# Altium PCB Tigershark 3D R2.1.PcbDoc (part 3 of 4)
Units mil, origin at the board's own origin, x right, y up, seen from the top; angles counter-clockwise.
Board outline 4100 x 4050 mil, 4 copper layers (Top Layer, Groun Plane, Power Plane, Bottom Layer), stack 61.73 mil thick; 364 components, 235 nets, 1170 pads, 856 vias.
Unrouted connection lines stored in the file: 6.
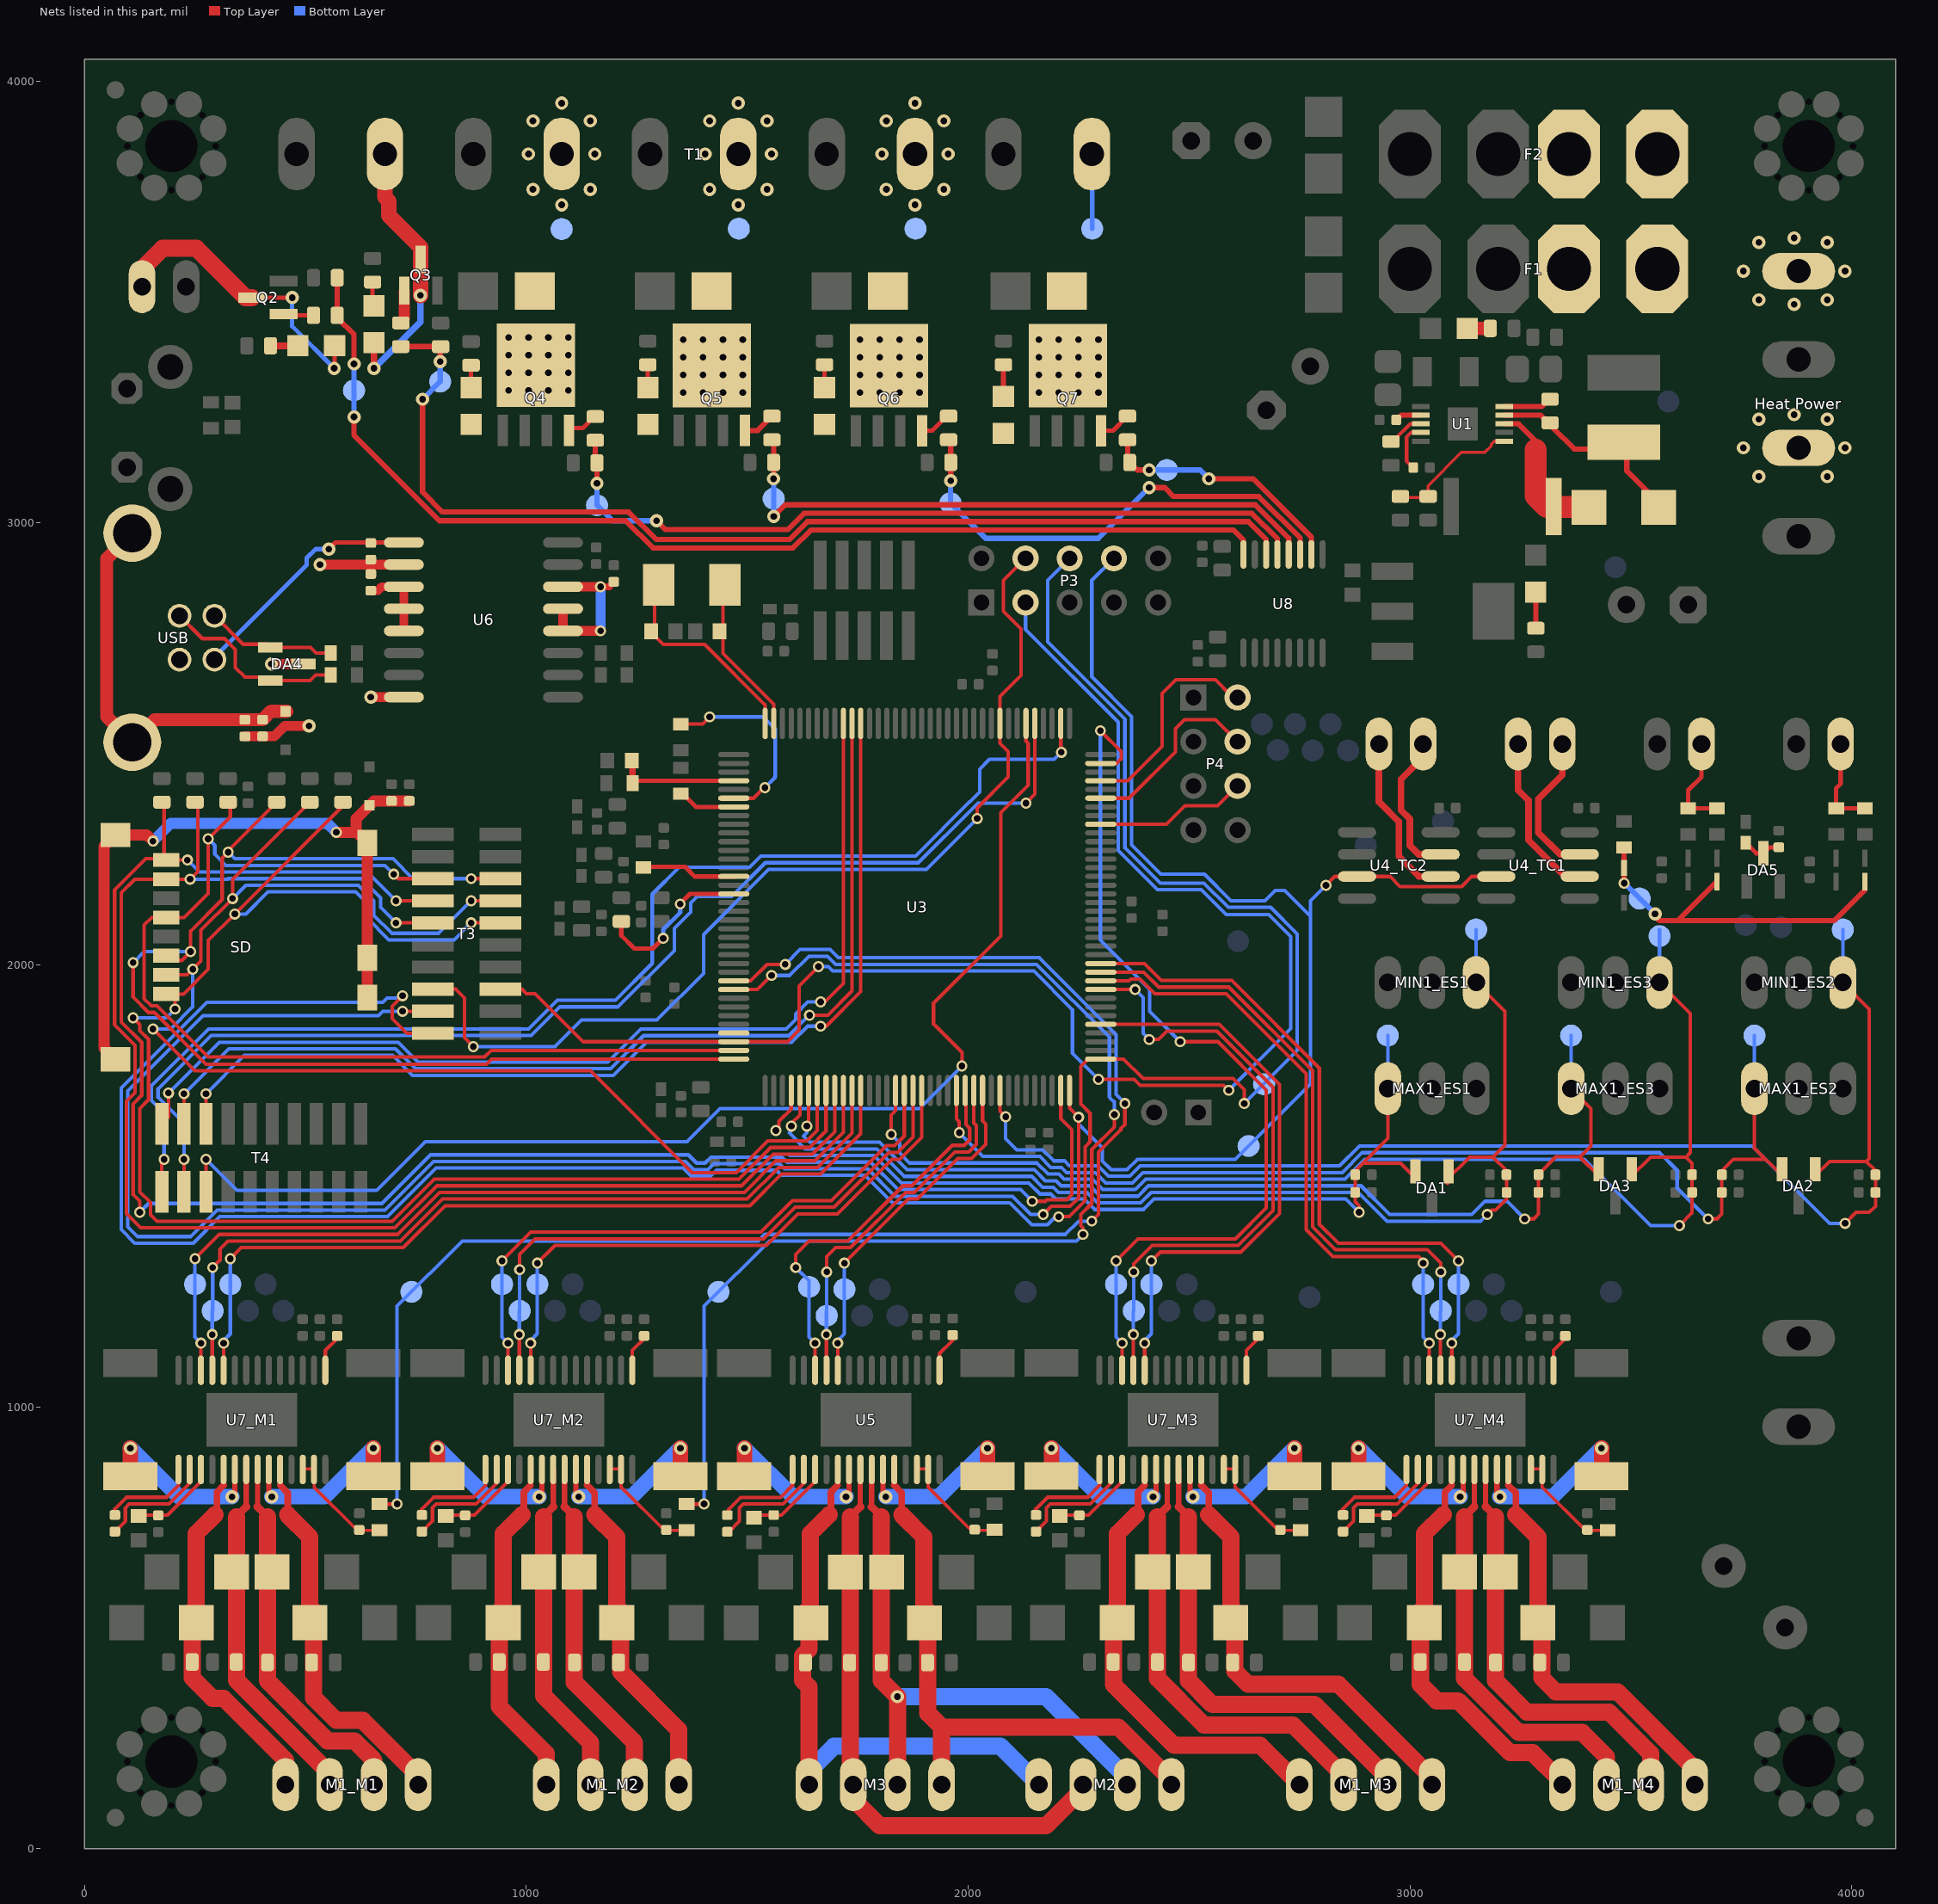
[diagram p5: the nets of this part, all layers, seen from the top]

## Via types
v1: diameter 30, hole 15, Top Layer to Bottom Layer, tented both sides, 517 vias
v2: diameter 25, hole 15, Top Layer to Bottom Layer, tented both sides, 203 vias
v3: diameter 19.68, hole 7.87, Top Layer to Bottom Layer, 75 vias
v4: diameter 25, hole 15, Top Layer to Bottom Layer, 50 vias
v5: diameter 30, hole 15, Top Layer to Bottom Layer, 9 vias
v6: diameter 45, hole 20, Top Layer to Bottom Layer, tented both sides, 2 vias

## Nets (pads, with @x,y where several pads share a name; then routed paths per layer and width w, separated by ;. In a path a pad name is that pad's centre, name@x,y a point inside that pad or via, vN(x,y) a via of type N, cw(c..) or ccw(c..) an arc to the next point about the centre after c; other vN are vias at no path point) (continued)
GPIO_P_3: P4.2 U3.141 | length 481
  Top Layer w8: U3.141@2300.35,2416.54 2361.54,2416.54 2439.47,2494.47 2439.47,2614.47 2470.53,2645.53 2559.47,2645.53 2592.5,2612.5 P4.2@2592.5,2602.5
GPIO_P_4: P4.4 U3.139 | length 434.7
  Top Layer w8: U3.139@2300.35,2377.17 2364.59,2377.17 2469.47,2482.05 2469.47,2534.47 2490,2555 2560,2555 P4.4@2610,2505
GPIO_P_5: P4.6 U3.136 | length 345.6
  Top Layer w8: U3.136@2300.35,2318.11 2448.64,2318.11 2490.53,2360 2565,2360 P4.6@2610,2405
I2C_SCL: P3.3 T3.5 U3.70 | length 3476.8
  Top Layer w8: 990,1945 1000,1935 1020,1935 1129.02,1825.98 U3.70@1469.65,1825.98 1590.98,1825.98 1617.5,1852.5 1617.5,1952.5 v2(1661.1,1996.1) ; v2(2295,1741.1) 2376.1,1741.1 2389.6,1727.6 2578.5,1727.6 v2(2590,1716.1)
  Bottom Layer w8: v2(1661.1,1996.1) 1683.68,1996.1 1693.68,1986.1 2148.68,1986.1 2236.1,1898.68 2236.1,1800 v2(2295,1741.1) ; P3.3@2130,2820 2130,2759.45 2340,2549.45 2340,2258.79 2428.79,2170 2527.57,2170 2584.07,2113.5 2680.29,2113.5 2730,2063.79 2730,1856.1 v2(2590,1716.1)
I2C_SDA: P3.4 T3.6 U3.9 | length 2287.3
  Top Layer w8: T3.6@788.23,1945 840,1945 860,1925 860,1835 v2(880,1815) ; v2(2020.36,2331.1) 2020.36,2354.75 2091,2425.4 2091,2482.57 2072.01,2501.56 U3.9@2072.01,2546.46 2072.01,2607.01 2120,2655 2120,2760 2080,2800 2080,2870 P3.4@2130,2920
  Bottom Layer w8: v2(880,1815) 1064.9,1815 1124.9,1875 1295.67,1875 1401.1,1980.44 1401.1,2068.53 1548.68,2216.1 1905.36,2216.1 v2(2020.36,2331.1)
INPUT_GND: C24.1 C58.1 C59.1 DA4.3 R24.1 U6.2 U6.8 USB.4 | length 524.6
  Top Layer w22: R24.1@363.2,2517.09 C24.1@403,2517.09 429.3,2517.09 453,2540.79 v1(508,2540.79) ; v1(423,2680.79) DA4.3@495.4,2680.79 ; v1(533,2905.79) 648,2905.79 ; v1(648,2605.79) U6.8@722.88,2605.79 ; C59.1@648,2884.49 648,2905.79 ; C58.1@648,2917.09 647.35,2906.52 648,2905.79 ; U6.2@722.88,2905.79 648,2905.79
MAX_ES1: C2_ES1.1 DA1.2 MAX1_ES1.1 R3_ES1.1 TP10_ES1.1 U3.76 | length 2037.4
  Top Layer w8: v2(1565,1625) 1571.5,1631.5 1571.5,1645.95 1599.57,1674.01 U3.76@1599.57,1715.75 ; C2_ES1.1@2875,1532.56 2893.44,1551 ; C2_ES1.1@2876.3,1525 2876.1,1524.8 R3_ES1.1@2876.1,1485 2876.1,1463.9 2885,1455 v2(2885,1440) ; MAX1_ES1.1@2950,1720 2950,1607.56 2893.44,1551 ; DA1.2@3005,1509.8 3012.6,1517.4 2979,1551 2893.44,1551
  Bottom Layer w8: 1596.5,1568.5 1787.07,1568.5 1849.11,1506.46 2137.48,1506.46 2162.43,1481.5 2186.73,1481.5 2198.23,1470 2262.99,1470 2286.49,1446.5 2397.01,1446.5 2420.51,1470 2855,1470 v2(2885,1440) ; MAX1_ES1.1@2950,1720 TP10_ES1.1@2950,1840
MAX_ES2: C2_ES2.1 DA2.2 MAX1_ES2.1 R3_ES2.1 TP10_ES2.1 U3.95 | length 2529.6
  Top Layer w8: U3.95@1973.58,1715.75 1973.58,1651.42 1980,1645 v2(1980,1620) ; v2(3675,1425) 3695,1425 3706.1,1436.1 3706.1,1470 ; R3_ES2.1@3706.1,1485 3706.1,1533.66 3732.44,1560 3805,1560 ; MAX1_ES2.1@3780,1720 3780,1585 3842.6,1522.4 DA2.2@3840,1519.8
  Bottom Layer w8: v2(1980,1620) 2033.54,1566.46 2162.33,1566.46 2187.29,1541.5 2211.59,1541.5 2223.09,1530 2287.84,1530 2311.34,1506.5 2372.16,1506.5 2395.66,1530 2846.91,1530 2891.91,1575 3565,1575 3605,1535 3605,1495 v2(3675,1425) ; MAX1_ES2.1@3780,1720 TP10_ES2.1@3780,1840
MAX_ES3: C2_ES3.1 DA3.2 MAX1_ES3.1 R3_ES3.1 TP10_ES3.1 U3.78 | length 2452.3
  Top Layer w8: v2(1635,1635) 1638.94,1638.94 U3.78@1638.94,1715.75 ; v2(3260,1425) 3280,1425 3291.1,1436.1 3291.1,1470 ; C2_ES3.1@3289.95,1525 C2_ES3.1@3289.95,1526.41 ; R3_ES3.1@3291.1,1485 3291.1,1526.1 3330.43,1565.43 3385.43,1565.43 3410,1590 3410,1675 MAX1_ES3.1@3365,1720 ; 3385,1565 3427.6,1522.4 DA3.2@3425,1519.8
  Bottom Layer w8: v2(1635,1635) 1635,1620 1627.6,1612.6 1641.7,1598.5 1799.5,1598.5 1861.54,1536.46 2149.9,1536.46 2174.86,1511.5 2199.16,1511.5 2210.66,1500 2275.41,1500 2298.91,1476.5 2384.59,1476.5 2408.09,1500 2889.45,1500 2954.45,1435 3140,1435 3170,1465 3220,1465 v2(3260,1425) ; MAX1_ES3.1@3365,1720 TP10_ES3.1@3365,1840
MCCDZ: R28.1 SD.3 T3.15 U3.72 | length 2811.6
  Top Layer w8: v2(110,2005) 110,1926.95 144.7,1892.25 157.75,1892.25 275,1775 910,1775 921.61,1786.61 U3.72@1469.65,1786.61 ; SD.3@202.52,2020.63 SD.3@185,2020.63 175,2010.63 175.63,2010 220,2010 v2(240,2030) 240,2076.21 311.5,2147.71 311.5,2241.5 v2(325,2255) 325,2258.23 R28.1@435,2368.23 ; v2(875,2195) T3.15@941.77,2195
  Bottom Layer w8: v2(110,2005) 135,2030 v2(240,2030) ; v2(325,2255) 340,2240 698.23,2240 743.23,2195 v2(875,2195)
MCCK: R27.1 SD.5 T3.16 U3.71 | length 2521.3
  Top Layer w8: R27.1@330,2368.23 330,2335 v2(280,2285) 280,2161.77 225.48,2107.24 SD.5@185,2107.24 152.24,2107.24 135,2090 135,1923.17 150.92,1907.25 163.96,1907.25 279.71,1791.5 905.29,1791.5 920.09,1806.3 U3.71@1469.65,1806.3 ; v2(700,2205) 710,2195 T3.16@788.23,2195
  Bottom Layer w8: v2(280,2285) 295,2270 295,2250 320,2225 680,2225 v2(700,2205)
MCDZ0: R26.1 SD.7 T3.12 U3.107 | length 4182.1
  Top Layer w8: v2(125,1440) 125,1465 110,1480 110,1685 129.46,1704.46 129.46,1824.33 83,1870.79 83,2163 113.86,2193.86 SD.7@185,2193.86 v2(238.86,2193.86) 256.33,2211.33 R26.1@256.33,2366.89 ; R26.1@250,2368.23 R26.1@251.33,2366.89 ; v2(705,2095) T3.12@788.23,2095 ; v2(2145,1465) 2175,1465 2178.5,1468.5 2223.5,1468.5 2235,1480 2235,1627.2 2209.8,1652.4 U3.107@2209.8,1715.75
  Bottom Layer w8: v2(125,1440) 145,1460 354.02,1460 673.49,1460 783.49,1570 1366.77,1570 1385.27,1551.5 1404.73,1551.5 1418.23,1565 1578.79,1565 1590.29,1553.5 1778.93,1553.5 1840.97,1491.46 2118.54,1491.46 v2(2145,1465) ; v2(238.86,2193.86) 323.86,2193.86 325,2195 626.5,2195 670,2151.5 670,2130 v2(705,2095)
MCDZ1: R25.1 SD.8 T3.14 U3.81 | length 3469
  Top Layer w8: R25.1@180,2368.23 180,2242.17 177.83,2240 138.79,2240 68,2169.21 68,1864.58 114.46,1818.12 114.46,1710.68 95,1691.21 95,1436.77 126.77,1405 702.72,1405 797.72,1500 1487.41,1500 1558.91,1571.5 1647.16,1571.5 1697.99,1622.33 U3.81@1697.99,1715.75 ; SD.8@185,2237.17 v2(232.83,2237.17) ; v2(705,2145) T3.14@788.23,2145
  Bottom Layer w8: v2(232.83,2237.17) 260,2210 640,2210 v2(705,2145)
MCDZ2: R34.1 SD.1 T3.11 U3.80 | length 3656.8
  Top Layer w8: v2(110,1880) 125,1865 125,1851.25 145,1831.25 145,1695 125,1675 125,1486.21 149.04,1462.17 149.04,1434.66 163.7,1420 696.51,1420 791.51,1515 1481.19,1515 1552.69,1586.5 1640.95,1586.5 1678.31,1623.86 U3.80@1678.31,1715.75 ; SD.1@195,1924 SD.1@185,1934 224,1934 280,1990 280,2055 v2(340,2115) 585,2360 R34.1@585,2368.23 ; v2(205,1900) SD.1@205,1924 ; v2(875,2095) T3.11@941.77,2095
  Bottom Layer w8: v2(110,1880) 185,1880 v2(205,1900) ; v2(340,2115) 365,2115 415,2165 613.79,2165 640,2138.79 640,2105.55 689.05,2056.5 836.5,2056.5 v2(875,2095)
MCDZ3: R29.1 SD.2 T3.13 U3.79 | length 3231.1
  Top Layer w8: v2(155,1855) 250,1760 1145,1760 1375,1530 1474.98,1530 1546.48,1601.5 1634.73,1601.5 1658.5,1625.27 1658.5,1715.63 U3.79@1658.62,1715.75 ; SD.2@185,1977.31 232.31,1977.31 263.5,2008.5 263.5,2078.5 v2(335,2150) 335,2193.23 R29.1@510,2368.23 ; v2(875,2145) T3.13@941.77,2145
  Bottom Layer w8: v2(155,1855) 195,1855 245,1905 v2(245,1990) ; v2(335,2150) 365,2180 620,2180 655,2145 655,2111.77 695.27,2071.5 801.5,2071.5 v2(875,2145)
MIN_ES1: C1_ES1.1 DA1.1 MIN1_ES1.1 R2_ES1.1 TP9_ES1.1 U3.77 | length 2636.5
  Top Layer w8: v2(1600,1635) 1600,1641.21 1619.25,1660.47 U3.77@1619.25,1715.75 ; DA1.1@3085,1505 3080,1510 3135,1565 3188.03,1565 ; MIN1_ES1.1@3150,1960 3215,1895 3215,1591.97 3188.03,1565 ; v2(3175,1435) 3185,1445 3193.9,1445 3218.9,1470 ; R2_ES1.1@3218.9,1485 3218.9,1534.13 3188.03,1565
  Bottom Layer w8: v2(1600,1635) 1600,1625 1595,1620 1631.5,1583.5 1793.28,1583.5 1855.33,1521.46 2143.69,1521.46 2168.65,1496.5 2192.95,1496.5 2204.45,1485 2269.2,1485 2292.7,1461.5 2390.8,1461.5 2414.3,1485 2883.23,1485 2948.23,1420 3160,1420 v2(3175,1435) ; MIN1_ES1.1@3150,1960 TP9_ES1.1@3150,2080
MIN_ES2: C1_ES2.1 DA2.1 MIN1_ES2.1 R2_ES2.1 TP9_ES2.1 U3.100 | length 3016
  Top Layer w8: U3.100@2072.01,1715.75 2072.01,1669.09 v2(2085,1656.1) ; DA2.1@3920,1519.8 3917.4,1522.4 3950,1555 4033.03,1555 ; MIN1_ES2.1@3980,1960 4040,1900 4040,1561.97 4033.03,1555 ; v2(3985,1415) 4010,1440 4040,1440 4053.9,1453.9 4053.9,1470 ; R2_ES2.1@4053.9,1485 4053.9,1534.13 4033.03,1555
  Bottom Layer w8: v2(2085,1656.1) 2085,1606.46 2110,1581.46 2168.54,1581.46 2193.5,1556.5 2217.8,1556.5 2229.3,1545 2294.05,1545 2317.55,1521.5 2365.95,1521.5 2389.45,1545 2840.7,1545 2885.7,1590 3775,1590 3950,1415 v2(3985,1415) ; MIN1_ES2.1@3980,1960 TP9_ES2.1@3980,2080
MIN_ES3: C1_ES3.1 DA3.1 MIN1_ES3.1 R2_ES3.1 TP9_ES3.1 U3.88 | length 2889.1
  Top Layer w8: v2(1826.1,1616.1) 1826.1,1659.89 1835.79,1669.57 U3.88@1835.79,1715.75 ; DA3.1@3502.4,1522.4 3545,1565 3625,1565 ; MIN1_ES3.1@3565,1960 3635,1890 3635,1574.91 3625.04,1564.96 3638.7,1551.3 C1_ES3.1@3638.7,1525 R2_ES3.1@3638.7,1485 ; v2(3610,1410) 3638.7,1438.7 3638.7,1470
  Bottom Layer w8: v2(1826.1,1616.1) 1845,1597.2 1845,1574.21 1867.75,1551.46 2156.12,1551.46 2181.07,1526.5 2205.37,1526.5 2216.87,1515 2281.63,1515 2305.13,1491.5 2378.37,1491.5 2401.87,1515 2853.13,1515 2898.13,1560 3395,1560 3545,1410 v2(3610,1410) ; MIN1_ES3.1@3565,1960 TP9_ES3.1@3565,2080
MISO: P3.8 T3.4 TP7.1 U3.108 U4_TC1.7 U4_TC2.7 | length 6388.1
  Top Layer w8: v2(720,1895) T3.4@788.23,1895 ; v2(2170,1435) 2188.5,1453.5 2231.07,1453.5 2250,1472.43 v2(2250,1655) 2229.49,1675.51 U3.108@2229.49,1715.75 ; v2(2810,2180) 2830,2200 U4_TC2.7@2880.51,2200 2955,2200 2977.81,2177.19 3117.19,2177.19 3140,2200 U4_TC1.7@3195.51,2200
  Bottom Layer w8: v2(720,1895) 675,1895 665,1885 268.13,1885 98,1714.87 98,1407 120,1385 240,1385 300,1445 347.8,1445 679.71,1445 789.71,1555 1360.55,1555 1379.05,1536.5 1410.95,1536.5 1424.45,1550 1572.57,1550 1584.07,1538.5 1772.71,1538.5 1834.76,1476.46 2100.31,1476.46 2141.77,1435 v2(2170,1435) ; v2(2250,1655) 2250,1640 2304.05,1585.95 2304.05,1556.21 2323.77,1536.5 2359.73,1536.5 2383.23,1560 2605,1560 2775,1730 2775,2145 v2(2810,2180) ; P3.8@2330,2920 2280,2870 2280,2651.87 2370,2561.87 2370,2271.21 2436.21,2205 2535,2205 2595,2145 2671.77,2145 2695.27,2168.5 2716.5,2168.5 2775,2110
MOD0E1: TP37_M1.1 U3.84 U7_M1.24 | length 1900
  Top Layer w8: U7_M1.24@314.76,1083.46 v2(314.76,1143.9) ; v2(330,1335) 355,1360 721.36,1360 816.36,1455 1506.04,1455 1577.54,1526.5 1665.8,1526.5 1757.05,1617.75 U3.84@1757.05,1715.75
  Bottom Layer w8: v2(314.76,1143.9) 314.76,1149.83 329.97,1165.03 TP37_M1.1@329.97,1277.03 v2(330,1335)
MOD0E2: TP37_M2.1 U3.91 U7_M2.24 | length 1342
  Top Layer w8: U7_M2.24@1009.76,1083.46 v2(1009.76,1143.9) ; v2(1025,1325) 1065,1365 1543.32,1365 1614.82,1436.5 1704.22,1436.5 1827.72,1560 1845.66,1560 1894.84,1609.18 U3.91@1894.84,1715.75
  Bottom Layer w8: v2(1009.76,1143.9) 1009.76,1149.83 1024.97,1165.03 TP37_M2.1@1024.97,1277.03 v2(1025,1325)
MOD0E3: TP37_M3.1 U3.113 U7_M3.24 | length 1340.1
  Top Layer w8: U3.113@2300.35,1865.35 2568.73,1865.35 2705,1729.08 2705,1437.43 2617.57,1350 2435,1350 v4(2415,1330) ; U7_M3.24@2399.76,1083.46 v4(2399.76,1143.9)
  Bottom Layer w8: v4(2399.76,1143.9) 2399.76,1149.83 2414.97,1165.03 TP37_M3.1@2414.97,1277.03 v4(2415,1330)
MOD0E4: TP37_M4.1 U3.120 U7_M4.24 | length 1548.2
  Top Layer w8: U3.120@2300.35,2003.15 2399.06,2003.15 2437.48,1964.72 2596.64,1964.72 2795,1766.36 2795,1413.13 2838.13,1370 3070,1370 v4(3109.97,1330.03) ; U7_M4.24@3094.76,1083.46 v4(3094.76,1143.9)
  Bottom Layer w8: v4(3094.76,1143.9) 3094.76,1149.83 3109.97,1165.03 TP37_M4.1@3109.97,1277.03 v4(3109.97,1330.03)
MOD0E_Z: TP19.1 U3.98 U5.24 | length 798.3
  Top Layer w8: U5.24@1704.8,1083.43 v4(1704.8,1143.87) ; v4(1720,1325) 1865,1470 1884.85,1470 1976.35,1561.5 2007.71,1561.5 2040,1593.79 2040,1640 2032.64,1647.36 U3.98@2032.64,1715.75
  Bottom Layer w8: v4@1704.8,1149.8 1720,1165 TP19.1@1720,1266 v4(1720,1325)
MOD1E1: TP36_M1.1 U3.83 U7_M1.25 | length 1916.4
  Top Layer w8: U7_M1.25@289.17,1083.46 v2(289.17,1163.31) ; v2(290,1315) 306.5,1331.5 306.5,1356.5 325,1375 715.15,1375 810.15,1470 1499.83,1470 1571.33,1541.5 1659.59,1541.5 1737.36,1619.28 U3.83@1737.36,1715.75
  Bottom Layer w8: v2(289.17,1163.31) 289.17,1216.24 TP36_M1.1@289.97,1217.03 v2(290,1315)
MOD1E2: TP36_M2.1 U3.90 U7_M2.25 | length 1367.1
  Top Layer w8: U7_M2.25@984.17,1083.46 v2(984.17,1163.31) ; v2(985,1310) 985,1345 1020,1380 1537.11,1380 1608.61,1451.5 1696.87,1451.5 1821.08,1575.72 1840.16,1575.72 1875.16,1610.71 U3.90@1875.16,1715.75
  Bottom Layer w8: v2(984.17,1163.31) 984.17,1216.24 TP36_M2.1@984.97,1217.03 984.97,1265 ; 985,1265.03 v2(985,1310)
MOD1E3: TP36_M3.1 U3.117 U7_M3.25 | length 1420.3
  Top Layer w8: U3.117@2300.35,1944.09 v2(2378.11,1944.09) ; U7_M3.25@2374.17,1083.46 v4(2374.17,1163.31) ; v4(2375,1305) 2375,1323.23 2416.77,1365 2611.36,1365 2690,1443.64 2690,1722.87 2563.27,1849.6 2449.6,1849.6 2431.1,1831.1 v2(2410,1831.1)
  Bottom Layer w8: v4(2374.17,1163.31) 2374.17,1216.24 TP36_M3.1@2374.97,1217.03 v4@2374.97,1297.03 ; v2(2378.11,1944.09) 2396.1,1926.1 2396.1,1845 v2(2410,1831.1)
MOD1E4: TP36_M4.1 U3.119 U7_M4.25 | length 1483.2
  Top Layer w8: U3.119@2300.35,1983.46 2397.36,1983.46 2431.1,1949.72 2590.42,1949.72 2780,1760.15 2780,1406.91 2831.91,1355 3040,1355 3069.97,1325.03 v4(3069.97,1305.03) ; U7_M4.25@3069.17,1083.46 v4(3069.17,1163.31)
  Bottom Layer w8: v4(3069.17,1163.31) 3069.17,1216.24 TP36_M4.1@3069.97,1217.03 v4@3069.97,1297.03
MOD1E_Z: TP18.1 U3.97 U5.25 | length 815.8
  Top Layer w8: U5.25@1679.2,1083.43 v4(1679.2,1163.28) ; v4(1680,1305) 1680,1340 1700,1360 1733.79,1360 1858.79,1485 1878.64,1485 1970.14,1576.5 2001.5,1576.5 2018.5,1593.5 2018.5,1636.5 2012.95,1642.05 U3.97@2012.95,1715.75
  Bottom Layer w8: v4(1679.2,1163.28) TP18.1@1679.2,1216.2 ; TP18.1@1680,1217 v4@1680,1297
MOD2E1: TP35_M1.1 U3.82 U7_M1.26 | length 1938.2
  Top Layer w8: v2(250,1335) 305,1390 708.93,1390 803.93,1485 1493.62,1485 1565.12,1556.5 1653.37,1556.5 1717.68,1620.8 U3.82@1717.68,1715.75 ; U7_M1.26@263.58,1083.46 v2(263.58,1143.9)
  Bottom Layer w8: v2(250,1335) TP35_M1.1@249.97,1277.03 249.97,1157.51 v2(263.58,1143.9)
MOD2E2: TP35_M2.1 U3.89 U7_M2.26 | length 1383.1
  Top Layer w8: v2(945,1330) 1010,1395 1530.9,1395 1602.4,1466.5 1690.65,1466.5 1814.87,1590.72 1833.95,1590.72 1855.47,1612.24 U3.89@1855.47,1715.75 ; U7_M2.26@958.58,1083.46 v2(958.58,1143.9)
  Bottom Layer w8: v2(945,1330) TP35_M2.1@944.97,1277.03 944.97,1157.51 v2(958.58,1143.9)
MOD2E3: TP35_M3.1 U3.143 U7_M3.26 | length 2061.5
  Top Layer w8: v2(2299.38,2530) 2346.79,2482.59 2346.79,2466.79 2335.91,2455.91 U3.143@2300.35,2455.91 ; v4(2335,1330) 2385,1380 2605.15,1380 2675,1449.85 2675,1716.65 2565.55,1826.1 v2(2480,1826.1) ; U7_M3.26@2348.58,1083.46 v4(2348.58,1143.9)
  Bottom Layer w8: v2(2299.38,2530) 2299.38,2056.06 2411.1,1944.34 2411.1,1895 v2(2480,1826.1) ; v4(2335,1330) TP35_M3.1@2334.97,1277.03 2334.97,1157.51 v4(2348.58,1143.9)
MOD2E4: TP35_M4.1 U3.118 U7_M4.26 | length 1454.4
  Top Layer w8: U3.118@2300.35,1963.78 2364.56,1963.78 2368.38,1967.59 2389.61,1967.59 2422.48,1934.72 2584.21,1934.72 2765,1753.93 2765,1400.7 2825.7,1340 3020,1340 v4@3030,1330 ; U7_M4.26@3043.58,1083.46 v4(3043.58,1143.9)
  Bottom Layer w8: TP35_M4.1@3029.97,1277.03 3029.97,1157.51 v4(3043.58,1143.9) ; TP35_M4.1@3030,1277.06 v4@3030,1330
  other v4: 3030,1325
MOD2E_Z: TP17.1 U3.96 U5.26 | length 896.7
  Top Layer w8: v4(1610,1315) 1610,1345 1640,1375 1727.57,1375 1852.57,1500 1872.43,1500 1963.93,1591.5 1991.5,1591.5 2003.5,1603.5 2003.5,1630.29 1995,1638.79 1995,1714.02 U3.96@1993.27,1715.75 ; U5.26@1653.61,1083.43 v4(1653.61,1143.87)
  Bottom Layer w8: v4(1610,1315) 1640,1285 1640,1157.48 v4(1653.61,1143.87)
MODE0_EXP1: T4.1 U3.2 | length 2811.7
  Top Layer w8: T4.1@175,1486.46 v2@175,1560 ; U3.2@2209.8,2546.46 2209.8,2482.4 v2(2211.1,2481.1)
  Bottom Layer w8: v2(180,1560) 180,1665 151.5,1693.5 151.5,1725.95 280.55,1855 1005,1855 1070,1920 1201.77,1920 1285,2003.23 1285,2160 1345.83,2220.83 1505.83,2220.83 1531.1,2246.1 1880.91,2246.1 2004.41,2369.6 2004.6,2369.6 2026.1,2391.1 2026.1,2442.87 2048.23,2465 2195,2465 v2(2211.1,2481.1)
MODE0_EXP2: T4.2 U3.27 | length 2329.6
  Top Layer w8: T4.2@175,1640 190,1655 v2(190,1710) ; v2(1666.1,1916.1) 1676.1,1916.1 1717.68,1957.68 U3.27@1717.68,2546.46
  Bottom Layer w8: v2(190,1710) 305,1825 710,1825 755,1780 1184.59,1780 1259.3,1854.71 1587.95,1854.71 1609.6,1876.37 1609.6,1888.39 1637.32,1916.1 v2@1656.1,1916.1
MODE1_EXP1: T4.3 U3.5 | length 2720.3
  Top Layer w8: T4.3@225,1486.46 v2(225,1560) ; v2(2131.1,2366.1) 2151,2386 2151,2546.2 U3.5@2150.75,2546.46
  Bottom Layer w8: v2(225,1560) 225,1641.21 166.5,1699.71 166.5,1719.73 286.77,1840 1011.21,1840 1076.21,1905 1207.98,1905 1335,2032.02 1335,2082.37 1371.82,2119.19 1371.82,2140.05 1386.37,2154.6 1464.6,2154.6 1541.1,2231.1 1887.12,2231.1 2010.62,2354.6 2010.82,2354.6 2022.32,2366.1 v2(2131.1,2366.1)
MODE1_EXP2: T4.4 U3.26 | length 2320.1
  Top Layer w8: T4.4@225,1640 v2(225,1708.23) ; v2(1641.1,1886.1) 1682.46,1886.1 1737.36,1941 U3.26@1737.36,2546.46
  Bottom Layer w8: v2(225,1708.23) 326.77,1810 703.79,1810 748.79,1765 1190.8,1765 1265.52,1839.71 1594.16,1839.71 1624.6,1870.16 1624.6,1870.82 1639.89,1886.1 v2(1641.1,1886.1)
MODE2_EXP1: T4.5 U3.6 | length 2822.9